# KiCad board Duet3_MB_6HC.kicad_pcb (continued)
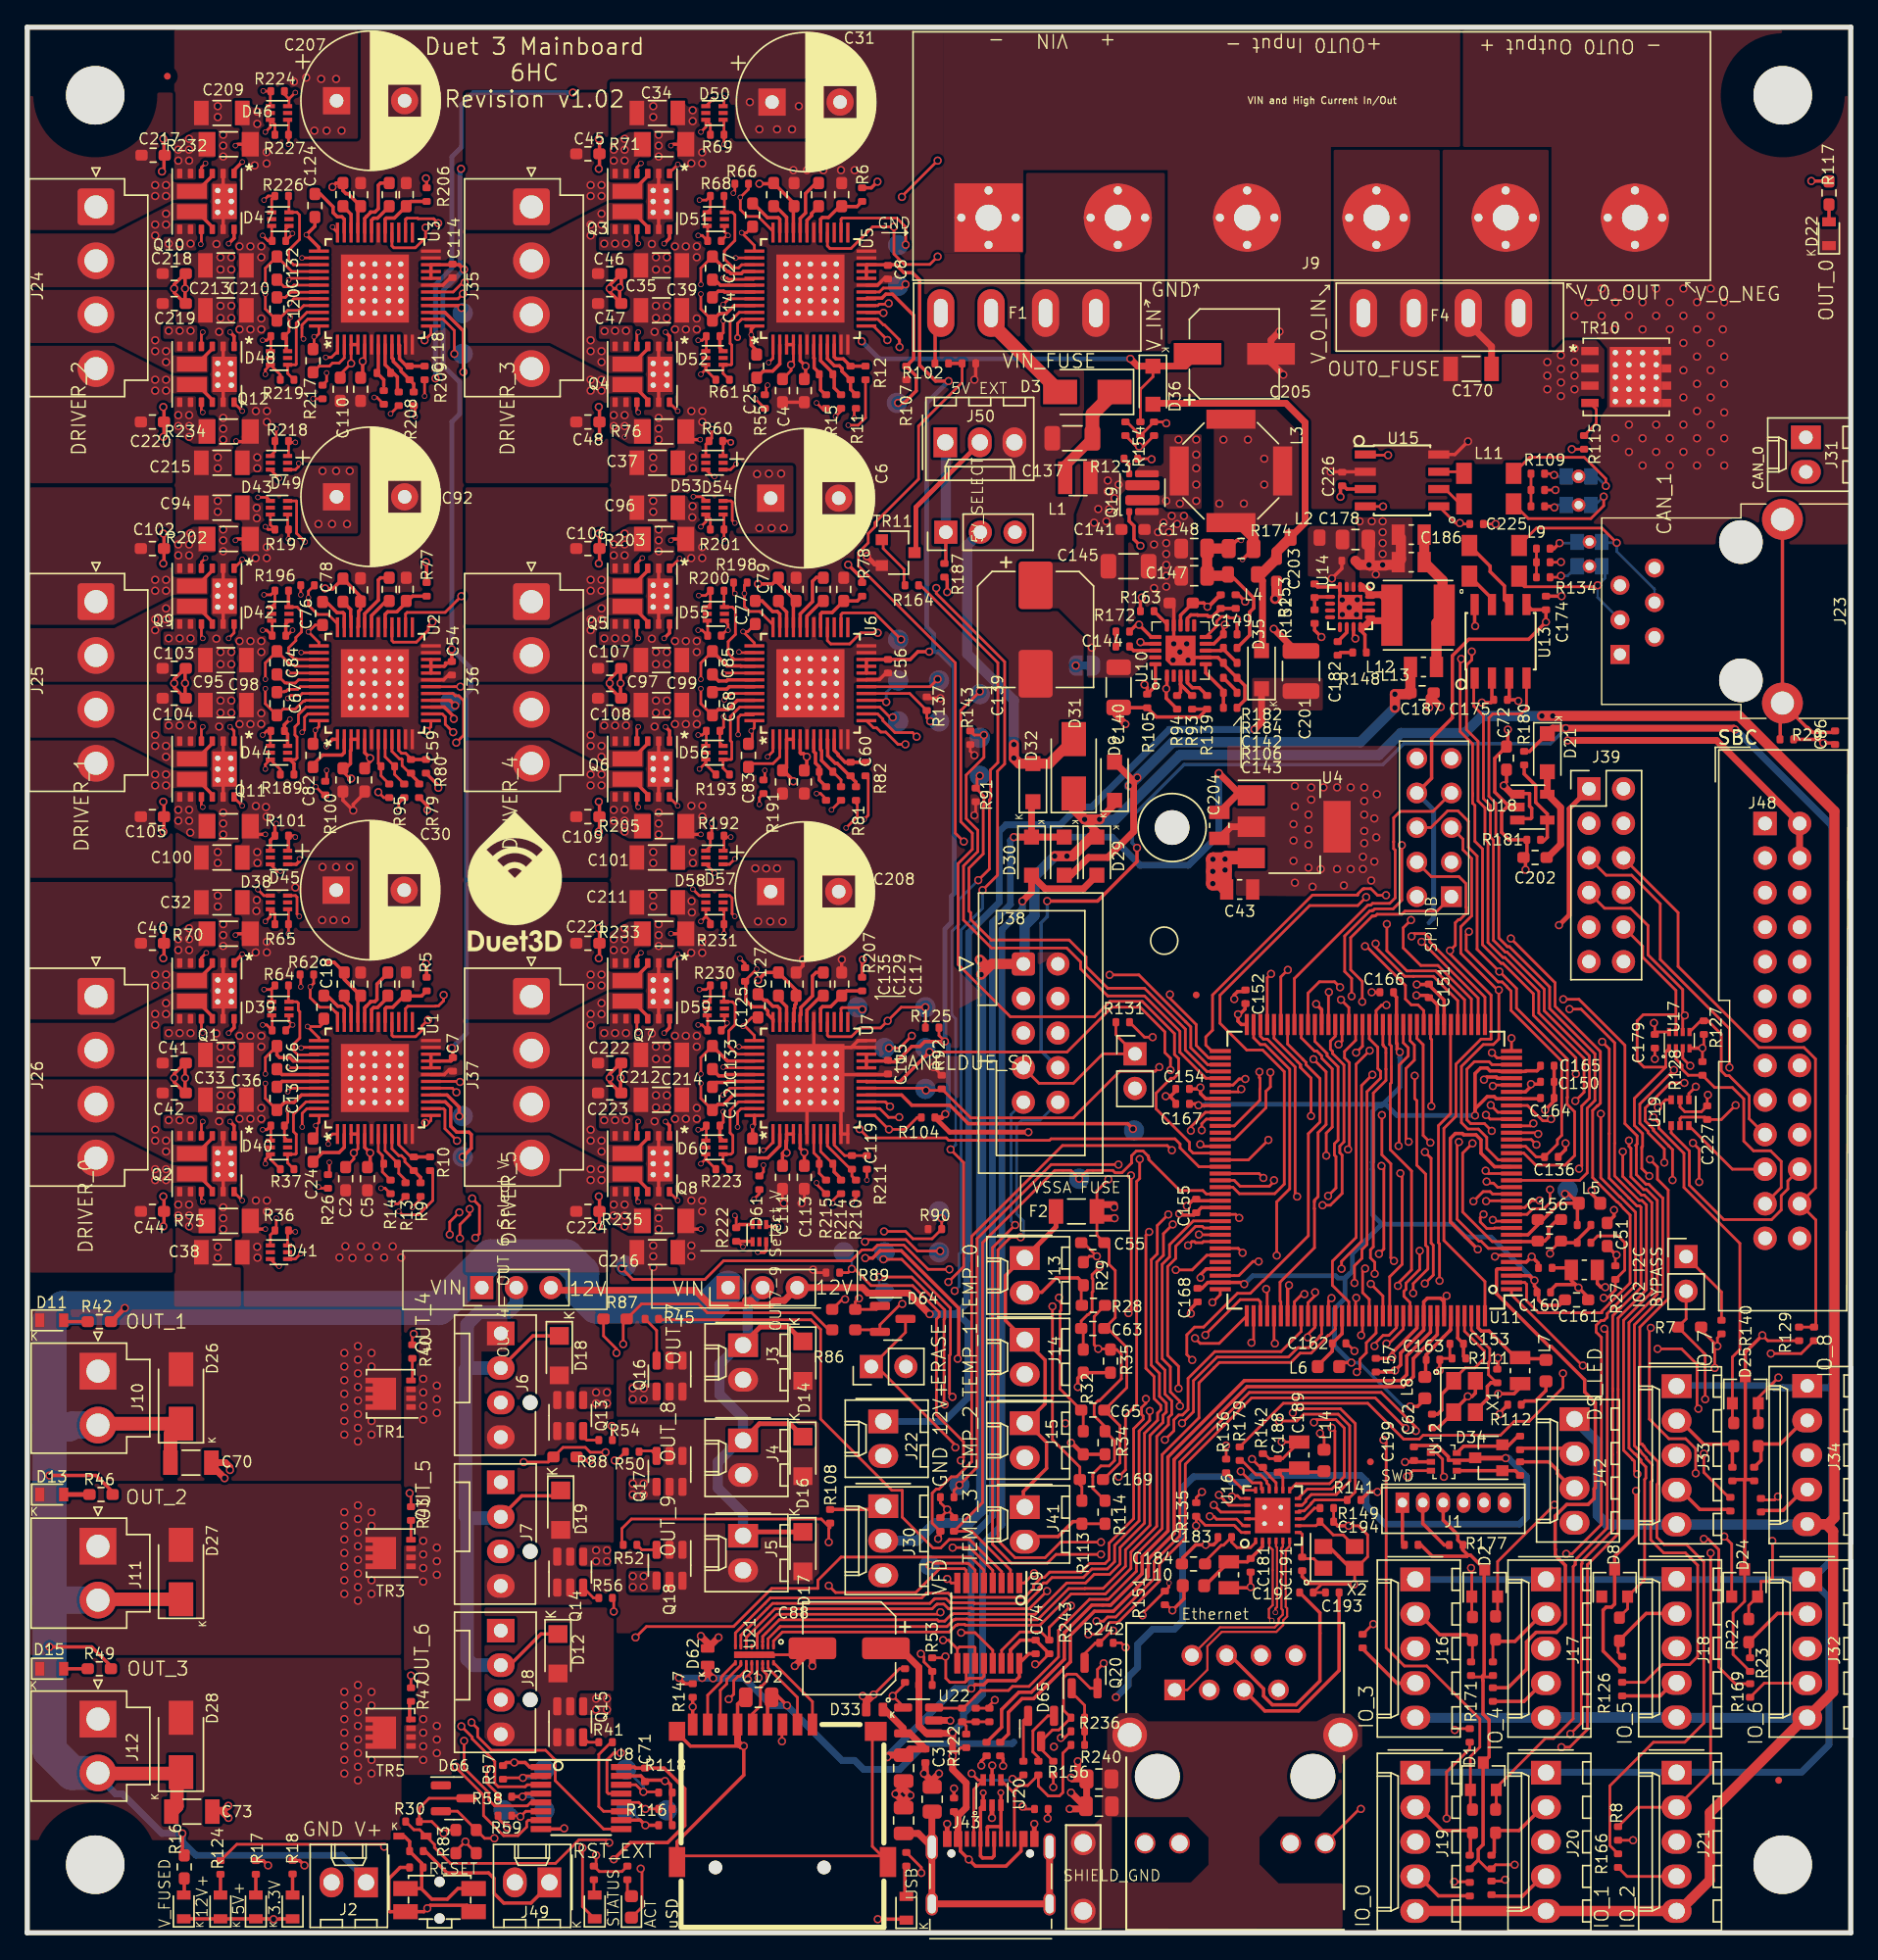
[diagram p0: board, top side]
## Routing (per net, layer and track width the routed paths; a pad name or vN(x,y) marks a point on that pad's centre or on a via; arc(x,y) is an arc through that point) (continued)
/Comms/VDD_1V2: length 5.5
  Top w0.2: C184.1 86.55,27.28 87.74,28.47 87.9,28.47 C183.1 88.5,28.7 88.9,28.3 89.89,28.3 90.27,28.67 U16.1
/Comms/VDDA_3V3: length 5.8
  Top w0.25: 86.55,25.5 86.55,25.5 C180.1 89.66,27.25 90.77,28.37 U16.2
/Power/3V3_EXT_ADJ: length 6.4
  Top w0.25: 111.4,80.19 111.7,80.49 U18.4 111.7,82.2 110.85,83.05 110.85,84.29 110,85.14 R180.2
/Power/3V3_EXT_OUT: length 7.2
  Top w0.5: D21.2 U18.5 112.68,82.67 112.68,79.96 111.72,79 C202.1
/Power/5V_BST: length 1.3
  Top w0.25: U14.10 96.96,95.53 96.3,94.87 C182.2
/Power/5V_common: length 39.9
  Top w0.5: D9.2 81.3,84.6 81.3,80.9 79.4,79 77.98,79 76.68,77.7 D10.2 ; v1(81.57,84.87) v1(80.97,84.27)
  Top w0.75: v1(100.5,90) v1(100.5,91) 101.55,91 101.64,91.09 L13.1
  Bottom w0.75: v1(100.5,91) v1(100.5,90) 97.97,87.47 84.17,87.47 v1(81.57,84.87) v1(80.97,84.27)
/Power/5V_FB: length 2.1
  Top w0.25: U14.5 94.65,98.15 R153.1 R152.2
/Power/5V_SELECT: length 24.7
  Top w0.75: D31.2 75.1,85.9 D32.2 72.9,85.9 v1(72.5,86.3) v1(72.5,87.3)
  Bottom w0.75: JP9.2 69.08,101.94 69.08,93.96 72.5,90.54 v1(72.5,87.3) v1(72.5,86.3)
/Power/5V_VCC: length 8.1
  Top w0.25: U14.11 97.46,95.22 v1(97.6,95.08) ; v1(95.87,99.5) 96.6,100.23 C176.1
  In1.Cu w0.35: v1(97.6,95.08) 96.72,95.08 95.87,95.93 v1(95.87,99.5)
/Power/5V_VSW: length 8.8
  Top w0.25: U14.1 98.19,98.88 ; 97.94,95.85 97.96,95.87 U14.12 97.96,95.7 98.3,95.36 98.3,94.16 R148.2
  Top w0.5: 98.06,98.93 98.24,98.75 98.47,98.75 98.56,98.66 98.56,98.43 98.68,98.31 99.49,98.31 100.4,97.4 100.4,96.8 100,96.4 98.68,96.4 98.06,95.78
/Power/12v_bias: length 17.2
  Top w0.2: 87.7,98.1 87.4,98.1 v1(86.73,97.42)
  Top w0.25: R146.2 86.82,97.42 v1(86.73,97.42) 86.45,97.7 C229.1 84.75,96.8 U10.13 ; R94.1 83.7,90.7 v1(83.7,91.4) 83.75,91.45 U10.1
  In1.Cu w0.5: v1(83.7,91.4) 86,91.4 86.73,92.13 v1(86.73,97.42)
/Power/12v_bst: length 2
  Top w0.25: C144.1 81.3,94.2 U10.18
/Power/12v_comp: length 3.7
  Top w0.25: U10.6 86.6,92.56 87.9,91.26 R106.2 C143.1
/Power/12v_comp_cap: length 1.5
  Top w0.25: R106.1 88.9,91.2 C142.1
/Power/12v_cs: length 13.4
  Top w0.2: U10.10 87.4,96 87.4,96.35 87.75,96.7 88.25,96.7 88.35,96.6 88.8,96.6 v1(88.9,96.5)
  Top w0.25: v2(89.3,100.9) 89.31,100.9 R174.1 ; C149.2 v1(88.9,96.5)
  Top w0.75: L3.1 89,103.6 90.11,102.48 R174.1
  In1.Cu w0.5: v1(88.9,96.5) 88.7,96.7 88.7,100.8 88.8,100.9 v2(89.3,100.9)
  vias: v1(87.6,105) v1(87.9,109.7) v1(89.4,105) v1(89.7,109.7) v1(90.9,108.3) v1(90.9,106.4)
/Power/12V_dh: length 17.7
  Top w0.2: R123.1 82.58,108.3 v1(82.62,108.26)
  Top w0.25: v1(81.8,94.82) 81.92,94.7 U10.17
  In1.Cu w0.75: v1(82.62,108.26) 82.62,105.78 79.9,103.06 79.9,96.5 81.58,94.82 v1(81.8,94.82)
/Power/12v_dhg: length 1.3
  Top w0.2: R123.2 80.97,107.93 Q19.4
/Power/12v_dl: length 1.4
  Top w0.25: U10.15 83.75,96.15 R163.1
/Power/12v_dlg: length 7.7
  Top w0.25: v1(81.9,98.1) 81.8,98 R163.2 ; v1(81.8,101.9) 81.33,102.37 81.33,103.37 80.97,103.72 Q19.1
  In1.Cu w0.75: v1(81.8,101.9) 81.8,98.2 v1(81.9,98.1)
/Power/12v_en: length 10
  Top w0.25: U10.20 82.9,91.6 R105.1 82.3,91.5 v1(82.1,91.7)
  In1.Cu w0.2: v1(77.05,93.1) 77.05,91.65 77.4,91.3 81.2,91.3 81.6,91.7 v1(82.1,91.7)
/Power/12v_fb: length 2.9
  Top w0.25: U10.8 87.7,94.2 R182.2 87.9,94.3 R184.1
/Power/12v_fsync: length 4.6
  Top w0.2: 84.75,91.75 84.75,91.73 85.58,90.9 R93.1
  Top w0.25: R93.1 85.55,90.9 84.75,91.7 U10.3 84.75,91.15 R94.2
/Power/12v_lx: length 13.2
  Top w0.25: U10.16 82.6,95.2 v1(81.7,96.1) 81.5,96.1 R172.2
  In1.Cu w0.75: 80.85,96.9 80.85,102.35 v1(83.7,105.2) ; v1(81.7,96.1) 80.85,96.95
  vias: v1(84.6,109.7) v1(84.7,105) v1(85.9,109.7) v1(85.9,108.6) v1(85.9,107.6) v1(85.9,106.4) v1(85.9,105.2)
/Power/12v_osc: length 2.4
  Top w0.25: R139.1 86.13,91.47 85.61,91.47 85.25,91.83 U10.4
/Power/12v_out: length 22.3
  Top w0.25: v2(89.2,102.3) 88.89,102.3 R174.2 ; R182.1 89.83,95.33 89.83,97.03 90.12,97.32 90.12,97.54 ; v1(88,96.1) 87.9,96 C149.1 87.2,94.7 U10.9 ; 90.12,97.5 90.12,98.06 88.38,99.8 88.2,99.8
  Top w0.75: 88.2,99.8 88.1,99.7 C147.1 C148.1 R174.2
  In1.Cu w0.5: v1(88,96.1) 87.9,96.2 87.9,101 v2(89.2,102.3)
/Power/12v_sup: length 1.4
  Bottom w0.2: JP1.2 78.35,94.3 v1(78.23,94.42)
  vias: v1(78.4,103.6) v1(78.7,104.6) v1(79.3,103.7) v1(79.4,106.7) v1(79.4,105.9) v1(79.5,104.6) v1(79.9,105.4) v1(80.2,106.4)
/Power/12v_vin: length 7.8
  Top w0.75: 78.28,109.8 76.28,107.8 L1.2
  Top w1: D3.1 78.28,111.57 78.28,109.8
/Processor/VDDCORE: length 106.1
  Top w0.25: U11.81 86.08,60.78 v1(86.07,60.79) 85.96,60.9 85.29,60.9 ; 100.42,68.93 100.62,68.73 U11.50 100.62,65.36 100.66,65.32 100.66,64.9 v1(100.86,64.7) ; v1(89.42,47.66) 89.3,47.78 U11.107 86.75,47.78 86.32,47.35 C168.1 ; 111.31,63.7 110.94,63.33 110.14,63.33 110.09,63.28 U11.33 108.2,63.28 108.16,63.33 107.49,63.33 107.29,63.53 106.8,63.53 106.39,63.13 v1(106.39,60.05) 106.39,60.54 107.28,61.43 107.8,61.43 107.95,61.28 U11.29 111.15,61.28 ; v1(97.3,41.89) 96.76,41.89 96.47,41.6 ; 112.97,46.5 112.57,46.1 111.45,46.1 111.05,46.5 111.05,47.2 110.75,47.5 v1(110.75,47.92) 110.4,48.28 U11.3 ; 102.7,39.2 102.17,38.67 v1(101.63,38.67)
  Bottom w0.25: v1(97.3,41.89) 97.81,41.89 97.88,41.82 97.96,41.82 101.11,38.67 v1(101.63,38.67)
  Bottom w0.35: v1(86.07,60.79) 86.49,60.79 86.55,60.86 99.6,60.86 ; v1(100.86,64.7) 100.86,62.12 99.6,60.86 ; 99.6,60.86 99.49,60.75 99.26,60.75 98.87,60.35 98.87,59.8 98.89,59.78 98.89,56.67 98.84,56.62 98.84,56.06 98.89,56.01 98.89,52.72 99.54,52.06 ; 99.6,60.86 99.83,60.86 100.64,60.05 v1(106.39,60.05) ; 97.22,48.46 97.24,48.46 97.38,48.61 97.38,49.9 99.54,52.06 ; 97.22,48.46 96.98,48.23 96.97,48.23 96.86,48.11 96.3,48.11 96.14,48.27 90.04,48.27 v1(89.42,47.66) ; 97.22,48.46 96.83,48.07 96.83,46.62 96.05,45.84 96.05,43.14 v1(97.3,41.89) ; v1(110.75,47.92) 107.56,51.12 105.72,51.12 104.78,52.06 99.54,52.06
/Processor/VDDPLL: length 4.5
  Top w0.25: 94.75,41.58 95.9,42.73 C162.1 96.62,44.02 96.62,45.33 U11.123
/Processor/VDDPLLUSB: length 6.8
  Top w0.25: 111.6,42.18 109.78,42.18 C158.1 109.37,42.25 107.42,44.21 106.85,44.21 106.62,44.44 U11.143
/Processor/VDDUTMIC: length 4.9
  Top w0.25: U11.139 104.62,44.72 104.59,44.7 104.59,44.3 104.53,44.23 104.53,44.22 104.07,43.76 104.06,43.76 103.38,43.08 103.38,43.05 102.8,42.47 C163.1 ; 102.76,41.96 102.76,41.05
GND: length 434.1
  Top w0.2: U16.22 91.27,30.41 U16.25 ; v1(80.71,20.97) 80.38,21.3 R242.2 ; R51.1 67.6,31 v1(67.6,31.1) ; v1(35.27,7.74) 34.6,8.41 R59.1 ; R58.1 34.6,10.17 33.76,11.01 v1(33.76,12.02) ; v1(97.53,42.74) 96.97,43.3 C162.2 ; R243.1 74.33,19.73 v1(74.07,19.73) ; J27.G 62.1,14.55 62.1,6.35 J27.G 62.8,5.65 48.2,5.65 J27.G ; v1(67.6,31.1) 68.1,30.6 R44.1 ; v1(67.6,31.1) 67.1,31.6 R48.1 ; v1(104.9,14.9) 105,15 R188.2 ; R127.2 123.2,65.1 v1(123.1,65) ; U17.4 123.08,64.98 v1(123.1,65) ; v1(92.18,36.07) 92.19,36.06 C189.2 92.25,34.83 91.27,34.83 90.9,35.2 ; 57.6,20.8 57.22,20.43 U21.PAD ; v1(65.67,20.49) 65.9,20.26 65.9,19.9 66.5,19.3 R53.1 R245.2 ; v1(123.1,65) R128.2 ; C177.1 112.57,100.69 ; v1(73.99,26.41) 73.27,25.7 U9.1 ; R149.2 C194.1 ; v1(67.6,26) 67.9,25.7 U9.8 ; v1(71.1,17.1) 70.7,16.7 R119.2 C171.2 ; v1(86.32,32.39) 85.9,31.97 R135.2 ; C111.1 55.5,53.7 v1(55.6,53.6) ; U19.2 121.45,60.68 121.8,60.32 123.02,60.32 C227.2 123.45,61.51 v1(123.5,61.56) ; NT15.1 U10.21 ; v1(97.1,29.9) 97.83,29.9 98.5,29.23 98.5,27.63 97.65,26.78 X2.2 97.55,25.65 v1(97.5,25.6) 95.1,25.6 C192.2 C193.2 ; R155.2 81.5,109.2 v1(81.7,109.2) 82,109.2 C206.2 ; U10.14 v1(84.25,94.7) ; C163.2 103.9,42.2 R111.1 104.54,42.36 C153.2 ; R89.2 57.97,48.5 v1(57.75,48.72) ; R143.1 69.3,86.81 v1(69.6,86.51) ; R105.2 80.03,90 80,90.03 ; v1(69.6,82.1) 69.7,82.2 R91.2 ; C179.2 v1(119.6,64.2) ; R92.2 v1(66.6,63.6) ; v1(62.2,17.5) 64.1,19.4 R138.2 ; C225.2 v1(107.9,103.5) ; R241.2 v1(75.4,10.7) ; v1(56.9,53.6) 57.1,53.8 C113.1 ; C190.1 v1(112.3,106) ; R139.2 86.45,89.65
  Top w0.25: 31.25,121.71 31.21,121.71 30.55,121.05 U3.19 ; J27.G 47.75,14.7 48.73,13.72 v1(52.65,13.72) 52.65,11.58 47.75,6.68 J27.G ; D6.1 18.55,1.03 18.52,1 v1(18.1,1) 17.68,1 17.65,1.03 D5.1 D37.1 D4.1 ; 47.29,7.9 47.29,10.88 47.01,11.15 v1(46.87,11.15) 46.8,11.21 45.4,11.21 45.09,11.53 U8.15 ; 28.21,4.8 27.4,4.8 26.57,3.97 26.57,1.63 26.65,1.55 S1.1 29.15,1.55 v1(29.4,1.8) 29.62,2.02 32.33,2.02 S1.2 ; 57.8,63.05 U7.19 63.09,63.05 63.25,63.21 ; 57.8,63.05 U7.EPAD ; 57.8,63.05 U7.30 ; U7.EPAD 57.55,63.6 59,65.05 60.1,65.05 ; U7.EPAD 58.3,62.8 ; U7.EPAD 57.3,62.55 U7.6 ; U7.EPAD U7.EPAD 59.8,61.55 U7.11 U7.12 ; 60.1,65.05 U7.23 ; 60.1,65.05 60.55,65.05 61.05,65.55 U7.24 ; v1(59.86,71.5) 59.85,71.49 59.85,70.57 ; 31.28,63.41 31.01,63.41 30.65,63.05 U1.19 ; 63.25,121.61 63.05,121.61 62.48,121.05 U5.19 ; U14.15 97.46,97.65 U14.17 ; U14.17 96.46,98.15 U14.4 94.83,98.88 R153.2 ; U14.17 97.46,97.15 U14.14 ; U2.19 30.6,92.05 31.06,92.51 31.2,92.51 ; 63.25,92.66 63.21,92.66 62.63,92.08 61.69,92.08 U6.19 ; X2.2 97.24,26.78 95.64,28.38 X2.4 ; v1(92.72,47.57) 92.62,47.47 U11.115 ; 132.84,87.41 v1(131.98,87.41) 131.94,87.37 131.63,87.68 129.78,87.68 ; 113.75,48.84 113.46,49.12 113.2,48.85 111.94,48.85 ; X1.4 106.42,39.65 106.18,39.41 v1(105.86,39.41) 105.86,39.39 104.82,38.35 X1.2 103.67,37.1 C62.2 ; C168.2 85.51,45.86 v1(85.51,45.49) ; U8.8 39.41,7.62 v1(39.46,7.67) ; v1(89.5,97.8) 89,98.3 R145.2 ; C194.1 96.3,29.9 v1(97.1,29.9) ; C180.2 89.84,25.34 v1(89.9,25.4) C181.2 ; v1(113.04,58) 113.04,57.54 C136.2 ; v1(97.5,25.6) 97.43,25.67 94.19,25.67 93.69,26.17 93.69,26.71 ; v1(106.4,96) 106.36,96.04 U13.8 ; R103.2 69.7,114.2 v1(69.6,114.1) ; 109.82,40.16 109.26,39.6 v1(108.1,39.6) ; v1(113.99,47.4) 113.46,47.93 113.46,48.8 ; v1(113.99,47.4) 114.72,46.66 114.72,46.5 ; v1(113.99,47.4) 113.77,47.62 112.37,47.62 111.83,47.09 111.83,47.05 ; v1(10,100.6) 10.05,100.65 C102.1 10.05,102.75 v1(10,102.8) ; v1(10,51.9) 10.05,51.95 C44.1 10.05,54.05 v1(10,54.1) ; v1(42,54.1) 42.05,54.05 C224.1 42.05,51.95 v1(42,51.9) ; C15.2 v1(68.1,10.6) ; 111.65,98.2 v1(112.75,98.2) ; v1(104.3,46.8) 104.12,46.62 104.12,46.18 ; v1(10,131.8) 10.05,131.75 10.05,129.55 v1(9.9,129.4) ; v1(43.54,120.88) 43.65,120.99 C46.1 42.8,121.05 v1(42.8,120.8) ; v1(43.54,120.88) 43.46,120.8 v1(42.8,120.8) ; v1(43.54,120.88) 43.54,119.81 C47.1 42.8,120.55 v1(42.8,120.8) ; v1(42,83.1) 42.05,83.05 C109.1 42.05,80.95 v1(42,80.9) ; C140.2 80.22,90 R105.2 82.97,89.33 86.13,89.33 86.45,89.65 ; U12.2 101.27,34.6 v1(101.25,34.58) ; v1(10,109.9) 10.05,109.95 C220.1 10.05,112.05 v1(10,112.1) ; 104.12,46.18 104.12,46.36 103.85,46.62 102.89,46.62 102.62,46.36 U11.135 102.62,44.29 100.92,42.6 100.92,41.72 v1(100.51,41.31) 100.4,41.2 C157.2 ; 104.12,46.18 U11.138 ; v1(10,80.9) 10.05,80.95 C105.1 10.05,83.05 v1(10,83.1) ; R57.1 35.19,12.51 v1(35.79,12.51) 36.59,12.51 36.92,12.18 U8.1 ; v1(10,71.6) 10.05,71.65 C40.1 10.05,73.75 v1(10,73.8) ; 89.52,69.16 88.94,69.16 88.69,68.9 v1(88.69,68.6) ; C229.2 84.25,97.4 U10.14 U10.21 ; J27.6 52.2,16.8 52.6,17.2 ; v1(42,109.9) 42.05,109.95 C48.1 42.05,112.05 v1(42,112.1) ; U11.44 103.62,68.18 102.93,68.87 v1(102.08,68.87) ; U11.95 85.6,53.78 v1(85.22,53.39) ; v1(106.89,90.38) 107.56,90.38 107.63,90.45 U13.2 ; C134.2 24.48,128.57 24.35,128.57 ; C135.2 57,71.05 v1(57,71.5) ; U11.61 95.12,67.83 v1(94.72,68.23) ; 24.8,83.75 23.96,82.91 v1(23.96,82.45) 23.2,83.21 23.2,83.65 ; v1(95.78,107.34) 96.59,107.34 C226.2 96.66,107.34 U15.2 ; 103.72,108.61 104.91,108.61 v1(105.87,109.57) ; R139.2 R93.2 ; C163.2 103.8,41.33 v1(103.78,41.32) ; R137.2 66.2,90.7 v1(67.1,90.7) ; v1(42,129.6) 42.05,129.65 C45.1 42.05,131.75 v1(42,131.8) ; v1(42,73.8) 42.05,73.75 C221.1 42.05,71.65 v1(42,71.6) ; 84.51,60.9 83.95,61.46 v1(83.66,61.46) 84.01,61.46 84.51,61.96 84.51,62 ; 99.51,69.1 v1(98.79,69.1) ; R243.1 C74.2 72.98,21.5 72.25,20.77 U9.15 ; C51.2 116.6,52.65 v1(116.6,53.1) ; C4.1 C6.1 ; 84.92,26.9 84.92,27.56 85.87,28.5 v1(86.6,28.5) 87.17,28.5 87.55,28.88 87.55,29.07 ; v1(111.54,60.45) 112.2,61.11 C150.2 C165.2 ; v1(108.07,42.23) 108.07,41.35 ; v1(42,102.8) 42.05,102.75 C106.1 42.05,100.65 v1(42,100.6) ; 122.2,65 v1(123.1,65) ; v1(62.5,1) 64.53,1 D23.1 ; v1(108.8,88.4) 108.8,87.25 C72.2 107.84,86.29 107.84,83.81 108.95,82.7 U18.2 108.72,82.7 108.34,82.32 108.34,80.85 108.86,80.33 108.86,80.33 108.89,80.3 R181.2 110.2,79.25 C202.2 110.1,78.85 v1(110.1,78.1) ; v1(10.8,91.8) 10.8,92.1 11.6,92.9 v1(11.6,91.8) 11.6,90.7 10.8,91.5 v1(10.8,91.8) ; v1(10.8,120.8) 10.8,121.1 11.6,121.9 v1(11.6,120.8) 11.6,119.7 10.8,120.5 v1(10.8,120.8) ; v1(10.8,62.8) 10.8,63.1 11.6,63.9 v1(11.6,62.8) 11.6,61.7 10.8,62.5 v1(10.8,62.8) ; v1(42.8,62.8) 42.8,62.5 43.6,61.7 v1(43.6,62.8) 43.6,63.9 42.8,63.1 v1(42.8,62.8) ; 43.6,90.7 v1(43.6,91.8) 43.6,92.9 42.8,92.1 v1(42.8,91.8) 42.8,91.5 43.6,90.7
  Top w0.35: 67.6,6.9 v1(67.6,8) ; v1(61.7,101.14) 62.29,100.55 62.9,100.55 ; U20.2 v1(70.89,8.44) ; 74,6.9 v1(74,8)
  Top w0.5: v1(14.5,33.4) 13.53,34.37 C70.2 14.57,34.54 14.9,34.21 v1(14.9,34) ; v1(52.65,13.72) 52.48,13.72 52.2,14 J27.6 ; v1(14.78,9.33) 14.44,8.99 13.73,8.99 14.24,8.99 v1(14.79,8.44) ; v1(67.82,15.58) 67.81,15.6 U22.2 ; C195.1 77.85,9.35 77.85,11.3 ; C195.1 77.7,9.3 v1(76.7,10.3) ; C195.1 77.6,9.1 v1(76.6,9.1) ; 80,90.03 80,89.5 v1(80.7,88.8) ; C173.2 64.4,9.6 ; 64.4,9.6 v1(64.9,10.1) 64.4,10.6 C1.2 64.4,10.8 v1(63.8,10.2) 64.4,9.6 ; v1(57.7,19.6) 57.7,20.7 57.6,20.8 v1(56.4,19.6) ; D33.2 61.65,16.95 v1(62.2,17.5) ; v1(50.8,21.7) 50.8,21.7 D62.2 50,21.3 v1(49.5,21.8) ; 77.85,11.3 76.8,11.3 v1(76.7,11.4) ; 77.85,11.3 77.2,11.95 v1(77.2,12.6) ; U4.2 88.45,81.26 C204.2 ; v1(103.87,90.06) 103.35,90.58 C187.2 103.02,90.77 v1(103.02,90.02) ; v1(67,11.7) 66.5,11.2 R237.2 66.5,11.1 v1(65.9,11.7) 66,11.8 C3.2 ; 93.6,94.18 93.22,94.18 v1(91.6,95.8) ; v1(92.02,117.64) 91.4,117.02 C205.2 91.4,115.37 v1(92.3,114.47) ; 61.65,16.23 61.65,17.15 v1(61.4,17.4)
  Top w0.75: 100.84,100.7 100.78,100.64 ; v1(91.7,98) 91.8,98.1 C203.1 ; v1(99.6,100.5) 100.55,100.5 100.94,100.9 100.94,102.48 ; 98.65,100.45 98.65,102.26 C178.2 ; 98.65,100.45 v1(98.6,100.5) 97.9,100.5 C176.2 ; 98.65,100.45 99.81,100.45
  In1.Cu w0.5: v1(74,8) 73.94,8.06 71.27,8.06 v1(70.89,8.44) 70.56,8.11 67.71,8.11 v1(67.6,8)
  vias: v1(15.6,123.9) v1(15.6,117.8) v1(15.6,94.9) v1(15.6,88.8) v1(15.6,65.9) v1(15.6,59.8) v1(16.4,123.9) v1(16.4,117.8) v1(16.4,94.9) v1(16.4,88.8) v1(16.4,65.9) v1(16.4,59.8) v1(16.71,129.85) v1(16.8,111.8) v1(16.79,101) v1(16.8,82.78) v1(16.84,75.07) v1(16.79,72.03) v1(16.8,53.8) v1(16.9,133.8) v1(16.9,132.9) v1(16.9,108.4) v1(16.9,107.6) v1(16.86,104.69) v1(16.87,103.93) v1(16.9,79.4) v1(16.92,78.6) v1(16.87,75.88) v1(16.9,50.4) v1(16.92,49.6) v1(17.2,123.9) v1(17.2,123.1) v1(17.2,118.6) v1(17.2,117.8) v1(17.2,94.9) v1(17.2,94.1) v1(17.2,89.6) v1(17.19,88.81) v1(17.2,65.9) v1(17.2,65.1) v1(17.2,60.6) v1(17.2,59.8) v1(17.54,82.71) v1(17.59,130.82) v1(17.59,129.99) v1(17.61,111.8) v1(17.61,111) v1(17.6,101.8) v1(17.6,101) v1(17.59,82) v1(17.6,72.8) v1(17.61,72.03) v1(17.61,53.8) v1(17.61,53) v1(22.94,49.61) v1(23.38,50.44) v1(23.9,49.58) v1(24.52,50.42) v1(25.1,49.59) v1(25.66,50.45) v1(25.93,135.5) v1(25.93,133.8) v1(25.9,77.4) v1(25.9,75.7) v1(26.03,106.4) v1(26.03,104.7) v1(26.23,49.61) v1(26.73,136.3) v1(26.73,132.9) v1(26.7,78.2) v1(26.7,74.8) v1(26.83,107.2) v1(26.83,103.8) v1(26.86,50.43) v1(27.48,49.61) v1(28.13,136.3) v1(28.1,78.2) v1(28.2,132.9) v1(28.23,107.2) v1(28.17,74.8) v1(28.3,103.8) v1(29.1,40.7) v1(29.1,39.7) v1(29.1,38.7) v1(29.1,37.7) v1(29.1,28.8) v1(29.1,27.8) v1(29.1,26.8) v1(29.1,25.8) v1(29.1,15.7) v1(29.1,14.7) v1(29.1,13.7) v1(29.1,12.7) v1(30.1,40.2) v1(30.1,39.2) v1(30.1,38.2) v1(30.1,28.3) v1(30.1,27.3) v1(30.1,26.3) v1(30.1,15.2) v1(30.1,14.2) v1(30.1,13.2) v1(41.8,39.7) v1(41.8,38.9) v1(41.8,28.1) v1(41.8,27.3) v1(41.8,17.2) v1(41.8,16.4) v1(42.6,39.7) v1(42.6,38.9) v1(42.6,28.1) v1(42.6,27.3) v1(42.6,17.2) v1(42.6,16.4) v1(44.5,40) v1(44.5,39.2) v1(44.5,33) v1(44.5,32.2) v1(44.5,26.2) v1(44.5,25.4) v1(45.3,40) v1(45.3,39.2) v1(45.3,33) v1(45.3,32.2) v1(45.3,26.2) v1(45.3,25.4) v1(47.6,123.9) v1(47.6,117.8) v1(47.6,94.9) v1(47.6,88.8) v1(47.6,65.9) v1(47.6,59.8) v1(48.4,123.9) v1(48.4,117.8) v1(48.4,94.9) v1(48.4,88.8) v1(48.4,65.9) v1(48.4,59.8) v1(48.8,130) v1(48.8,111.8) v1(48.79,101) v1(48.8,82.8) v1(48.82,75.8) v1(48.84,74.97) v1(48.79,72) v1(48.8,53.8) v1(48.8,50.49) v1(48.8,49.7) v1(48.9,133.9) v1(48.9,133.1) v1(48.9,108.4) v1(48.92,107.6) v1(48.89,104.81) v1(48.87,103.99) v1(48.9,79.4) v1(48.92,78.6) v1(49.2,123.9) v1(49.2,123.1) v1(49.2,118.6) v1(49.2,117.8) v1(49.2,94.9) v1(49.2,94.1) v1(49.2,89.6) v1(49.2,88.8) v1(49.2,65.9) v1(49.2,65.1) v1(49.2,60.6) v1(49.2,59.8) v1(49.6,130.8) v1(49.6,130) v1(49.61,111.8) v1(49.61,111) v1(49.6,101.8) v1(49.6,101) v1(49.61,82.8) v1(49.61,82) v1(49.6,72.8) v1(49.6,72) v1(49.6,53.8) v1(49.6,53) v1(56.3,129.5) v1(57.3,129.5) v1(57.83,106.3) v1(57.83,104.6) v1(57.83,77.4) v1(57.83,75.7) v1(58,134.3) v1(58,133.2) v1(58.5,129.5) v1(58.63,107.1) v1(58.63,103.7) v1(58.63,78.2) v1(58.63,74.8) v1(58.9,132.4) v1(59.8,129.5) v1(60.03,107.1) v1(60.03,78.2) v1(60.1,132.4) v1(60.1,103.7) v1(60.1,74.8) v1(60.8,129.5) v1(61.5,133.2) v1(61.6,134.4) v1(79.88,53.3) v1(79.9,52.5) v1(82.8,102) v1(82.8,98.8) v1(83.1,102.9) v1(83.5,103.6) v1(83.7,102.1) v1(83.7,101.3) v1(83.7,100.5) v1(83.7,99.7) v1(83.7,98.9) v1(83.9,102.9) v1(84.1,104.1) v1(84.2,93.5) v1(84.5,103.5) v1(84.7,94.1) v1(85,104.1) v1(85.2,94.7) v1(85.3,93.5) v1(93.05,81.45) v1(93.05,80.25) v1(93.05,78.75) v1(93.15,84.25) v1(93.15,82.75) v1(93.15,77.15) v1(94.15,82.15) v1(94.15,81.05) v1(94.15,79.95) v1(94.15,78.25) v1(94.35,84.15) v1(94.35,83.25) v1(94.45,76.85) v1(95.05,78.15) v1(95.25,84.15) v1(96.25,84.15) v1(96.25,78.15) v1(96.63,97.93) v1(96.64,96.85) v1(96.75,76.95) v1(97.14,97.37) v1(97.25,84.15) v1(97.25,78.15) v1(97.74,97.94) v1(97.68,96.85) v1(97.9,103.7) v1(98.25,84.15) v1(98.25,83.15) v1(98.25,82.15) v1(98.25,80.95) v1(98.25,80.05) v1(98.15,79.05) v1(98.15,78.15) v1(98.8,103.7) v1(98.76,77.31) v1(98.99,81.87) v1(98.99,78.7) v1(99.1,99.8) v1(99.13,80.48) v1(99.17,83.65) v1(99.6,103.7) v1(99.6,102.9) v1(99.6,102.1) v1(99.6,101.3) v1(111.7,115.4) v1(111.7,114.4) v1(111.7,113.4) v1(112.7,115.9) v1(112.7,114.9) v1(112.7,113.9) v1(112.7,112.9) v1(112.7,100.71) v1(113.7,116.4) v1(113.7,115.4) v1(113.7,114.4) v1(113.7,113.4)
GNDA: length 5.7
  Top w0.25: C143.2 89.47,90.57 89.47,91.63 C142.2 87.9,93.2 R184.2 87.5,93.7 U10.7
VBUS: length 109.3
  Top w0.2: v1(65.7,4.4) 65.7,4.8 R130.1 ; R122.1 68.61,13.6 v1(68,12.99)
  Top w0.25: 73.2,6.9 73.02,6.72 73.02,6 71.92,4.9 69.68,4.9 v1(69.19,5.39) 68.58,6 68.58,6.72 68.4,6.9 ; 70.9,11.22 70.9,12.28 v1(70.91,12.29)
  Top w0.5: D29.2 77.6,76.7 74.8,76.7 D30.2 73.8,76.46 v1(73.13,75.79) ; 68.4,8.6 69,9.2 69,11 68,12 v1(68,14.7) 67.95,14.65 U22.1 66.08,14.65 65.53,15.2 65.53,19.5 64.12,20.9 C88.1 ; 68.4,8.6 68.4,6.9 ; 68.4,8.6 C15.1
  In1.Cu w0.2: v1(69.19,5.39) 67.7,3.9 66.2,3.9 v1(65.7,4.4)
  In1.Cu w0.25: v1(68,12.99) 70.63,12.99 70.91,12.71 v1(70.91,12.29)
  Bottom w0.5: v1(68,14.7) 68.8,15.5 68.8,16.1 70.2,17.5 70.2,28.55 71.62,29.98 71.62,73.71 73.13,75.21 v1(73.13,75.79)
VBUS_DETECT: length 3
  Top w0.2: R122.2 69,15.2 R244.1 C171.1 R119.1
VIN_POWER_MON: length 107.4
  Top w0.2: U11.22 110.11,57.78 110.89,57 C136.1 112.44,57.94 112.44,58.27 112.76,58.58 112.76,64.04 109.04,67.76 109.04,69.19 108.74,69.49 108.74,69.51 108.39,69.86 108.09,69.86 105.74,72.21 105.74,73.35 v1(105.94,73.55) ; v1(68.82,80.17) 68.2,80.79 68.2,93.3 61.08,100.42 61.08,101.4 61.8,102.12 61.8,102.8 62.3,103.3 62.3,103.6 65.5,106.8 65.5,110.7 68.7,113.9 R103.1
  Top w0.25: R102.2 R103.1
  In1.Cu w0.2: v1(105.94,73.55) 105.72,73.77 102.01,73.77 101.97,73.81 101.48,73.81 101.44,73.77 101.43,73.77 100.91,74.3 100.91,74.58 100.38,75.11 98.82,75.11 98.8,75.09 97.98,75.09 97.96,75.11 70.69,75.11 68.82,76.98 v1(68.82,80.17)
VSSA: length 84.7
  Top w0.2: R176.2 115.4,51.2 116.91,51.2 117.38,50.72 117.38,48.68 R27.1 116.7,47.22 116.12,46.64 v1(115.84,46.64)
  Top w0.25: 73.43,37.5 74.9,36.03 74.9,34.12 73.2,32.42 73.2,31.3 ; 73.43,37.5 73.2,37.5 ; 73.43,37.5 74.8,38.87 74.8,42.07 71.88,44.99 71.88,48.28 73.2,49.6
  Top w0.35: F2.1 75.59,51.87 73.33,49.6
  In1.Cu w0.2: v1(115.84,46.64) 115.76,46.56 111.56,46.56 111.25,46.87 110.91,46.87 110.22,47.57 108.41,47.57 106.45,49.54 106.42,49.54 105.88,50.08 105.88,50.11 103.43,52.56 102.46,52.56 102.31,52.4 99.39,52.4 99.24,52.56 98,52.56 96.42,50.98 94.3,50.98 94.21,50.89 89.99,50.89 89.82,50.72 88.06,50.72 86.04,48.7 85.82,48.7 79.02,41.9 76.8,41.9 76.02,42.67 74.13,42.67 73.2,43.6
VSSA_MON: length 28.4
  Top w0.2: v1(116.78,49.8) 116.7,49.72 R27.2
  Top w0.25: v1(106.59,50.21) 104.58,52.23 104.58,58.36 104.94,58.72 105.46,58.72 105.56,58.62 106.46,58.62 106.82,58.26 106.82,57.28 107.82,56.28 U11.19 ; v1(116.78,49.8) 116.75,49.8 C51.1
  In1.Cu w0.25: v1(106.59,50.21) 107.23,49.57 107.23,49.42 107.59,49.06 107.62,49.06 108.08,48.6 115.58,48.6 v1(116.78,49.8)
/Comms/CAN0_H_TR: length 1.7
  Top w0.2: v1(112.2,107.1) 112.1,107.2 R109.1
  Bottom w0.2: v1(112.2,107.1) 112.3,107 JP3.1
/Comms/CAN0_L_TR: length 1.7
  Top w0.25: R110.2 112.14,104.8 v1(112.22,104.72)
  Bottom w0.2: v1(112.22,104.72) 112.4,104.9 JP6.1
/Comms/can0_term_c: length 2.4
  Top w0.2: R110.1 C190.2 R109.2
/Comms/CAN0H_C: length 1.9
  Top w0.2: 103.72,107.34 105.58,107.34
/Comms/CAN0L_C: length 2.3
  Top w0.2: 105.46,104.81 104.2,106.07 103.72,106.07
/Comms/CAN1_H_TR: length 2.2
  Top w0.2: R134.2 112.6,99.59
  Bottom w0.2: v1(112.7,99.69) 113.19,99.69 JP8.1
/Comms/CAN1_L_TR: length 2.2
  Top w0.25: R133.1 112.19,101.69 v1(112.6,102.1)
  Bottom w0.2: JP7.1 113.81,102.1 v1(112.6,102.1)
/Comms/can1_term_c: length 2.1
  Top w0.2: R134.1 C177.2 R133.2
/Comms/CAN1H_C: length 2.8
  Top w0.25: L9.1 107.63,98.02 U13.7
/Comms/CAN1L_C: length 5.5
  Top w0.25: U13.6 108.54,97.94 108.54,98.96 107.5,100 107.5,100.4 L9.4
/Comms/cc1d: length 3.5
  Top w0.2: D65.2 73.2,15.59 R183.1
/Comms/cc2d: length 4.4
  Top w0.2: D65.1 75,15.94 73.9,14.84 73.9,13.29 74.3,12.89 R144.1
/Comms/CLK: length 5.1
  Top w0.2: J27.5 53.3,16.1 53.88,16.68 53.88,18.1 53.91,18.13 53.99,18.13 54.34,18.49 54.34,18.98 54.04,19.29 54.04,19.44 U21.14
/Comms/CMD: length 9.6
  Top w0.2: J27.3 55.46,15.26 v1(55.46,14.07) ; 52.84,19.74 52.84,19.33 52.37,18.85 52.25,18.85 51.92,18.52 51.92,17.53 v1(51.55,17.16)
  In1.Cu w0.2: v1(55.46,14.07) 55.43,14.04 54.67,14.04 v1(51.55,17.16)
/Comms/DAT0: length 5.2
  Top w0.2: J27.7 50.93,15.47 50.93,17.82 51.4,18.29 51.4,18.61 52.44,19.66 U21.10
/Comms/DAT1: length 5.4
  Top w0.2: U21.9 51.12,18.92 51.12,18.9 51,18.78 51,18.45 50,17.45 J27.8
/Comms/DAT2: length 5.7
  Top w0.2: U21.16 57.7,16.98 J27.1
/Comms/DAT3: length 5.4
  Top w0.2: U21.15 54.44,19.45 56.6,17.29 J27.2
/Comms/LED0: length 34.6
  Top w0.2: U16.23 89.32,29.91 89.32,29.95 88.88,30.39 87.39,30.39 87.2,30.59 87.05,30.59 86.97,30.67 v1(86.9,30.6) ; v1(81.96,23.32) 81.96,23.46 R151.2 83.9,25.4 v2(83.9,25.7)
  In1.Cu w0.2: v2(83.9,25.7) 83.9,25.85 85.8,27.75 85.8,28.8 86.9,29.9 v1(86.9,30.6) ; J46.10 82.97,8.3 81.5,8.3 80.6,9.2 80.6,11.6 78.6,13.6 78.6,15.5 79.7,16.6 80.9,16.6 81.64,17.34 81.64,22.56 81.8,22.72 81.8,23.17 v1(81.96,23.32)
/Comms/LEDG_A: length 17.4
  Top w0.2: v1(74.98,8.4) 75.02,8.44 R150.2
  In1.Cu w0.2: J46.9 80.2,8.53 80.2,11.44 77.73,13.91 76.95,13.91 74.41,11.37 74.41,10.05 74.98,9.48 v1(74.98,8.4)
/Comms/LEDY_K: length 24
  Top w0.2: v1(104.3,8.4) 104.3,11.81 106,13.51 R188.1
  In1.Cu w0.2: v1(104.3,8.4) 104.3,4.2 103.07,2.97 96.46,2.97 J46.11
/Comms/phy_vddio: length 5.5
  Top w0.2: 93.31,33.98 93.44,33.85 ; C188.1 92.27,33.47 U16.14
  Top w0.25: 93.44,33.85 93.44,34.04 ; 93.6,34.2 93.38,33.98 91.96,33.98 ; 95.3,33.85 93.77,33.85 C189.1
/Comms/q20b: length 3.8
  Top w0.2: 77.05,17.36 77.7,16.71 R236.2 R238.1 R240.1
/Comms/RD+: length 13.6
  Top w0.16: U16.4 91.77,28.38 91.84,28.31 91.84,23.94 91.72,23.82 v2(91.72,23.54)
  In1.Cu w0.16: v2(91.72,23.54) 91.34,23.54 90.94,23.14 90.94,22.87 90.34,22.27 90.34,21.61 89.4,20.67 89.4,19.82 87.42,17.84 J46.3
/Comms/RD-: length 9.1
  Top w0.16: U16.3 91.27,28.39 91.42,28.23 91.43,28.23 91.52,28.14 91.52,24.07 91.24,23.79 91.24,23.16 v2(91.46,22.94)
  In1.Cu w0.16: v2(91.46,22.94) 90.67,22.15 J46.6
/Comms/REF_CLK: length 3.2
  Top w0.2: U16.16 91.27,32.86 91.08,33.04 91.08,33.19 90.62,33.65 90.3,33.65 89.25,34.7
/Comms/REXT: length 1.9
  Top w0.2: R149.1 94.6,31.2 93.81,30.41 U16.9
/Comms/SD_cd: length 9.1
  Top w0.2: U21.13 53.64,18.84 v1(53.74,18.73)
  Top w0.25: R147.1 v1(48.9,16.6) 48.9,15.3 J27.9
  In1.Cu w0.2: v1(48.9,16.6) 50.1,17.8 53.2,17.8 53.74,18.34 v1(53.74,18.73)
/Comms/SHIELD_GND: length 7.2
  In1.Cu w0.75: 93.2,20.38 96.51,17.08 J46.14
/Comms/TD+: length 17.4
  Top w0.16: J46.1 85.24,17.84 86.72,19.32 86.72,21.05 87.78,22.11 91.79,22.11 92.29,22.61 92.29,22.95 92.58,23.24 92.58,23.84 92.48,23.94 92.48,28.13 92.77,28.42 U16.6
/Comms/TD-: length 13.6
  Top w0.16: U16.5 92.27,28.37 92.16,28.26 92.16,23.81 92.26,23.71 92.26,23.37 91.97,23.08 91.97,23.06 91.96,23.05 91.96,22.73 91.67,22.44 87.64,22.44 85.58,20.38